# Altium PCB FYDP_rev2.PcbDoc (continued)
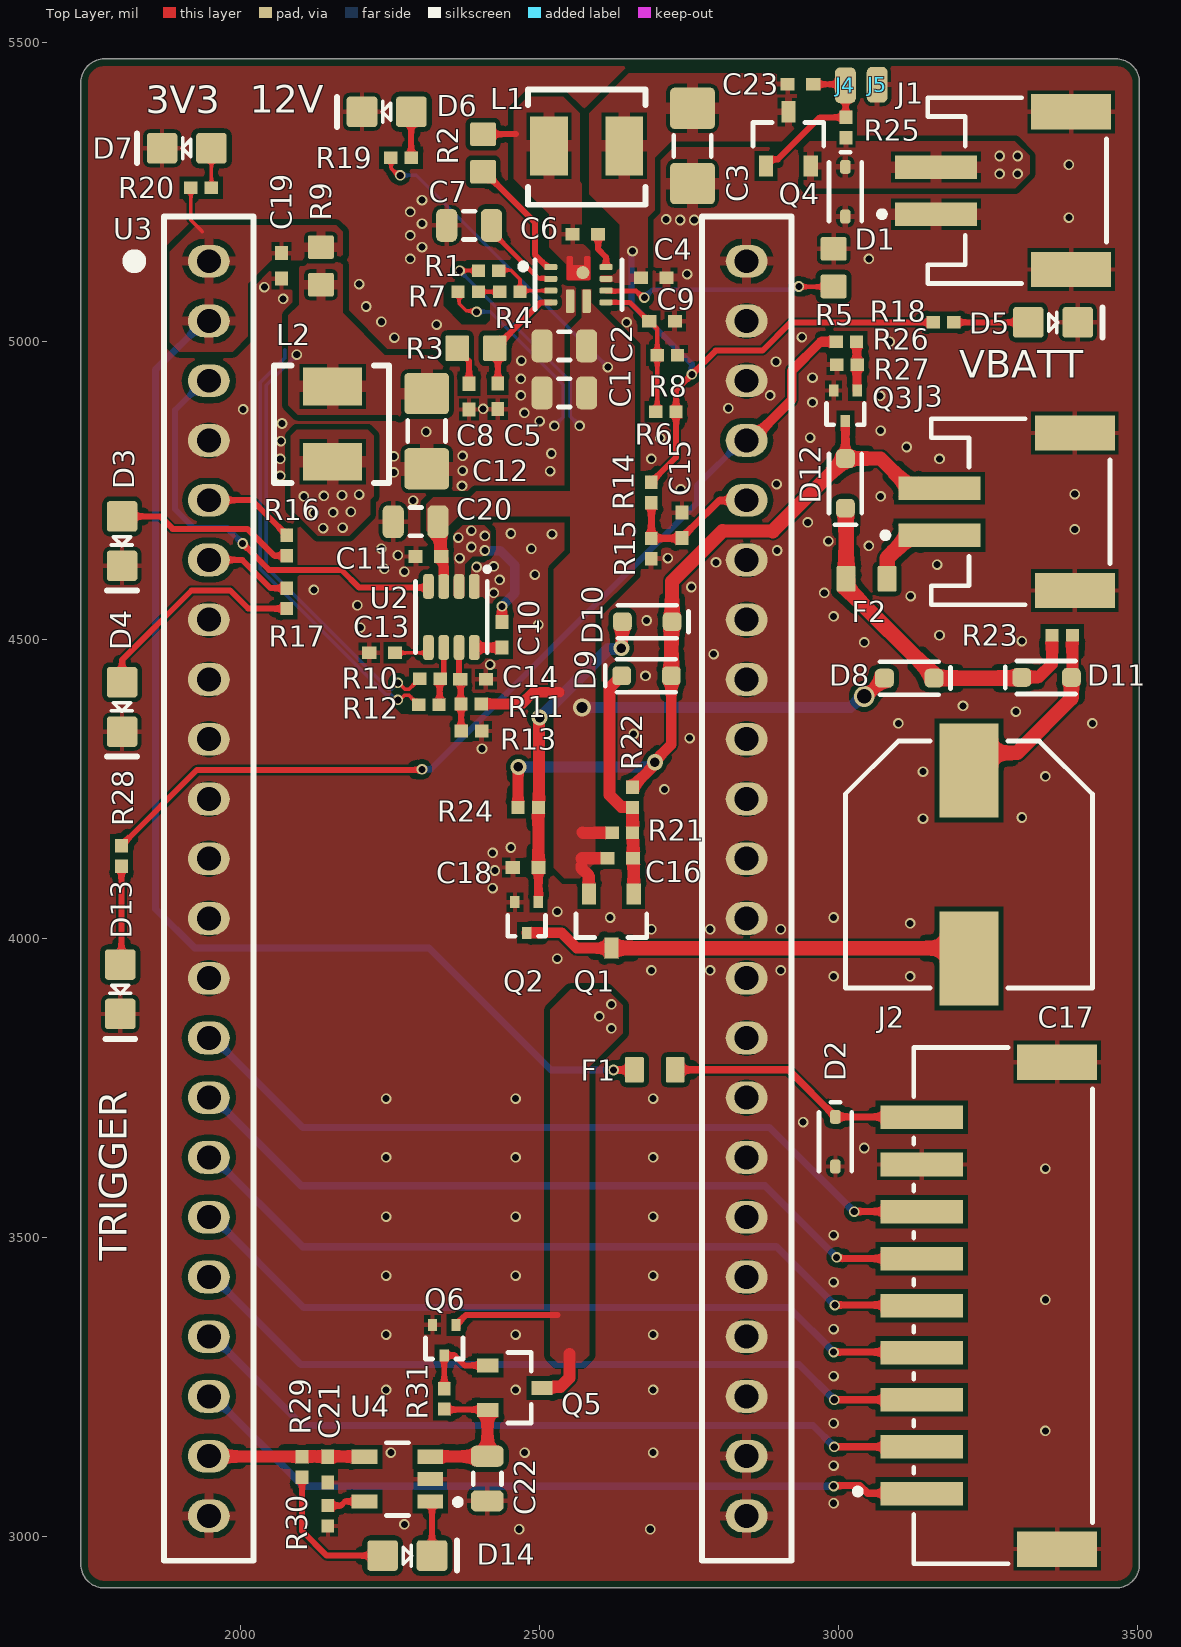
[diagram p0: Top Layer view]
## Part data
C1 C2 C7 C20 C22: library part CAP0805, "25V 10uF X5R ±10% 0805  Multilayer Ceramic Capacitors MLCC - SMD/SMT ROHS", Capacitance=10uF, Dielectric=X5R, Manufacturer="Samsung Electro-Mechanics", Package=0805, Tolerance=10%, Voltage Rating=25V, Manufacturer Part Number=CL21A106KAYNNNE
C3 C12: library part CAP1206, "10V 47uF X5R ±20% 1206  Multilayer Ceramic Capacitors MLCC - SMD/SMT ROHS", Capacitance=47uF, Dielectric=X5R, Manufacturer="Samsung Electro-Mechanics", Package=1206, Tolerance=20%, Voltage Rating=10V, Manufacturer Part Number=CL31A476MPHNNNE
C4 C6 C9 C10 C11 C14 C15 C16 C18 C19 C21 C23: library part CAP0402, "50V 100nF X7R ±10% 0402  Multilayer Ceramic Capacitors MLCC - SMD/SMT ROHS", Capacitance=100nF, Dielectric=X7R, Manufacturer="Samsung Electro-Mechanics", Package=0402, Tolerance=±20%, Voltage Rating=50V, Manufacturer Part Number=CL05B104KB54PNC
C5: library part CAP0402, "50V 47pF C0G ±5% 0402  Multilayer Ceramic Capacitors MLCC - SMD/SMT ROHS", Capacitance=47pF, Dielectric=C0G, Manufacturer="FH (Guangdong Fenghua Advanced Tech)", Package=0402, Tolerance=±5%, Voltage Rating=50V, Manufacturer Part Number=0402CG470J500NT
C8: library part CAP0402, "50V 1nF X7R ±10% 0402  Multilayer Ceramic Capacitors MLCC - SMD/SMT ROHS", Capacitance=1nF, Dielectric=X7R, Manufacturer="FH (Guangdong Fenghua Advanced Tech)", Package=0402, Tolerance=±10%, Voltage Rating=50V, Manufacturer Part Number=0402B102K500NT
C13: library part CAP0402, "50V 22nF X7R ±10% 0402  Multilayer Ceramic Capacitors MLCC - SMD/SMT ROHS", Capacitance=22nF, Dielectric=X7R, Manufacturer="FH (Guangdong Fenghua Advanced Tech)", Package=0402, Tolerance=10%, Voltage Rating=50V, Manufacturer Part Number=0402B223K500NT
C17: library part CMP-0687-00002-1, "Aluminum Electrolytic Capacitor, UD Series, Low Impedance, 470 uF, 25 V, + / - 20%, -55 to 105 degC, Chip Type, 10 x 10 mm D x L, Pb-Free, Reel", Manufacturer=Nichicon, Rated Capacitance="470 uF", Rated Ripple Current (at 100kHz)="670 mA", Rated Voltage="25 V", Tolerance Rated Capacitance="-20 to 20%", ComponentLink1Description="Manufacturer URL", ComponentLink1URL=http://www.nichicon.co.jp/, ComponentLink2Description=Datasheet, ComponentLink2URL=http://products.nichicon.co.jp/en/pdf/XJA043/e-ud.pdf, ComponentLink3Description="Package Specification", ComponentLink3URL=http://products.nichicon.co.jp/en/pdf/XJA043/e-ud.pdf, DatasheetVersion=08/2012, Diameter="10 mm", Endurance Time="5000 h", Impedance="0.09 Ohm", Length="10 mm", Mounting Technology="Surface Mount", PackageDescription="2-Pin Surface Mount Device, Diameter 10 mm, Height 10 mm, Pitch 8 mm", PackageReference=CAPAE-D10H10, Packing="Dia382mm Reel", PartNumber=UUD1E471MNL1GS, RoHS=TRUE
D1 D2: "TVS UNI14.5V 6.2V 5V SOD-323", Breakdown Voltage=6.2V, Clamping Voltage=14.5V, Manufacturer="Diodes Incorporated", Package=SOD-323, Reverse Standoff Voltage=5V, Manufacturer Part Number=SD05-7
D3 D14: library part LED_GREEN, "Emerald 0805  Light Emitting Diodes (LED) ROHS", Manufacturer="Hubei KENTO Elec", If rated=20mA, Manufacturer Part Number=KT-0805G, Vf=2.1V
D4: library part LED_RED, "Colorless transparence 67mcd~195mcd -30℃~+85℃ 615nm~630nm Red 130° 65mW 0805  Light Emitting Diodes (LED) ROHS", Manufacturer="Foshan NationStar Optoelectronics", If rated=25mA, Manufacturer Part Number=NCD0805R1, Vf=2.0V
D5 D6 D7 D13: library part LED_YELLOW, "Yellow 0805  Light Emitting Diodes (LED) ROHS", Manufacturer="Hubei KENTO Elec", If rated=20mA, Manufacturer Part Number=KT-0805Y, Vf=2.1V
D8 D9 D10 D11 D12: "40V 470mV@500mA 0.5A SOD-323  Schottky Barrier Diodes (SBD) ROHS", Manufacturer="Taiwan Semiconductor", Package/Footprint=SOD-323, Io=0.5A, Manufacturer Part Number=RB551V-40, Mounting Type=SMD, Vf (Max)="470mV @ 0.5A", Vr (Max)=40V
F1 F2: library part FUSE0603, "50A SMD Fuse 1A 32V 32V 0603  Fuses ROHS", Current Rating=1A, Manufacturer=Littelfuse, Package=0603, Supplier Part Number 1=6130137, Voltage Rating=32V, Manufacturer Part Number=0467001.NRHF, Supplier 1="Future Electronics"
J1 J3: library part CMP-1755-00001-1, "Male Header, Pitch 2 mm, 1 x 2 Position, Height 5.5 mm, -25 to 85 degC, RoHS, Tape and Reel", Colour=Black, Current Rating="3 A", Max Operating Temperature=105degC, Min Operating Temperature=-65degC, Package Quantity=100, ComponentLink1Description="Manufacturer URL", ComponentLink1URL=http://www.jst.com/home2.html, ComponentLink2Description=Datasheet, ComponentLink2URL=http://www.jst-mfg.com/product/pdf/eng/ePH.pdf, Contact Finish=Lead, Contact Material=Bronze, Contact Plating=Tin, DatasheetVersion=Dec-12, Height="8.13 mm", Lead Pitch="0.1 inch", Length="101.19 mm", Mount="Through Hole", PackageDescription="Male Header, Pitch 2 mm, 1 x 2 Position, Height 5.5 mm", PackageReference=S2B-PH-SM4-TB(LF)(SN)-2, Packaging=Bulk, Pins=40, Radiation Hardening=No, RoHSCompliant=True, Width="2.34 mm"
J2: library part CMP-17439-000494-1, "CONN HEADER SMD R/A 9POS 2MM", Color=White, Contact Resistance=10mR, Current Rating=2A, Flammability Rating="UL94 V-0", Housing Color=Natural, Insulation Resistance=1GR, Max Operating Temperature=85°C, Min Operating Temperature=-25°C, Voltage Rating=100V, Connector Type=Header, Contact Finish - Mating=TIN, Contact Material="Copper Alloy", Contact Mating Length=0.13inch, Contact Plating=Tin, Contact Shape=Square, Contact Type="Male Pin", Fastening Type=Detent, Gender=Male, Housing Material=Nylon, Insulation Color=Natural, Insulation Material=Nylon, Lead Free="Lead Free", Lead Pitch=2mm, Mount="Surface Mount", Number of Contacts=9, Number of Poles=9, Number of Positions=9, Number of Rows=1, Orientation="Right Angle", Packaging="Cut Tape", Pitch=2mm, Reach SVHC Compliant=Yes, Series=PH, Termination=Solder, Voltage Rating (AC)=100V, Working Voltage=100V
L1 L2: library part TMPA0503S-3R3MN-D, "3.3uH ±20% 3A SMD Power Inductors ROHS", DC Resistance=83.1mR, Inductance=3.3uH, Manufacturer="Vishay Intertech", Tolerance=20%, Isat(min)=3A, Manufacturer Part Number=IHLP1616BZER3R3M5A
Q1 Q4 Q5: library part IRLML5103TRPBF, "MOSFET P-CH 30V 4.1A SOT23", Manufacturer 1="Micro Commercial Co", Power Dissipation (Max)=1.3W, Supplier Part Number 1=SI3407-TPMSCT-ND, Manufacturer Part Number 1=SI3407-TP, Mounting Type=SMD, Supplier 1=Digikey, Vdss=30V, Vgs (Max)=±20V, Vth (Max)="3V @250uA"
Q2 Q6: library part DMN62D0UT-7, "MOSFET, N-CH, SINGLE, 0.30A, 60V", Package=SOT-523, Supplier Part Number 1=4786-GSFAT0600CT-ND, Id @ 25°C=300mA, Supplier 1=Digikey, Vdss=60V, Vgs (Max)=±20V, Vgs(th) (Max) @ Id="2.5V @ 250uA"
Q3: "NFET 60 V 320mA (Ta) 230mW (Ta) Surface Mount SOT-523", Package=SOT-523, Supplier Part Number 1=DMN62D0UT-7DICT-ND, Id @ 25°C=320mA, Supplier 1=Digikey, Vdss=60V, Vgs (Max)=±20V, Vgs(th) (Max) @ Id="1V @ 250uA"
R1: library part RES0402, "62.5mW Thick Film Resistors ±100ppm/℃ ±1% 1MΩ 0402  Chip Resistor - Surface Mount ROHS", Manufacturer="UNI-ROYAL(Uniroyal Elec)", Package=0402, Power Rating=62.5mW, Resistance=1MR, Tolerance=1%, Manufacturer Part Number=0402WGF1004TCE
R2 R5: library part RES0603, "100mW Thick Film Resistors ±100ppm/℃ ±1% 330kΩ 0603  Chip Resistor - Surface Mount ROHS", Manufacturer="UNI-ROYAL(Uniroyal Elec)", Package=0603, Power Rating=100mW, Resistance=330kR, Tolerance=1%, Manufacturer Part Number=0603WAF3303T5E
R3: library part RES0603, "100mW Thick Film Resistors ±100ppm/℃ ±1% 24kΩ 0603  Chip Resistor - Surface Mount ROHS", Manufacturer="UNI-ROYAL(Uniroyal Elec)", Package=0603, Power Rating=100mW, Resistance=24kR, Tolerance=1%, Manufacturer Part Number=0603WAF2402T5E
R4: library part RES0402, "62.5mW Thick Film Resistors ±100ppm/℃ ±1% 100kΩ 0402  Chip Resistor - Surface Mount ROHS", Manufacturer="UNI-ROYAL(Uniroyal Elec)", Package=0402, Power Rating=62.5mW, Resistance=100kR, Tolerance=1%, Manufacturer Part Number=0402WGF1003TCE
R6: library part RES0402, "62.5mW Thick Film Resistors ±100ppm/℃ ±1% 15kΩ 0402  Chip Resistor - Surface Mount ROHS", Manufacturer="UNI-ROYAL(Uniroyal Elec)", Package=0402, Power Rating=62.5mW, Resistance=15kR, Tolerance=1%, Manufacturer Part Number=0402WGF1502TCE
R7 R8 R12 R13 R14 R23 R25 R27 R31: library part RES0402, "62.5mW Thick Film Resistors ±100ppm/℃ ±1% 10kΩ 0402  Chip Resistor - Surface Mount ROHS", Manufacturer="UNI-ROYAL(Uniroyal Elec)", Package=0402, Power Rating=62.5mW, Resistance=10kR, Tolerance=1%, Manufacturer Part Number=0402WGF1002TCE
R9: library part RES0603, "100mW Thick Film Resistors ±1% 0Ω 0603  Chip Resistor - Surface Mount ROHS", Manufacturer="UNI-ROYAL(Uniroyal Elec)", Package=0603, Power Rating=100mW, Resistance=0R, Tolerance=1%, Manufacturer Part Number=0603WAF0000T5E
R10 R15: library part RES0402, "62.5mW Thick Film Resistors ±100ppm/℃ ±1% 33kΩ 0402  Chip Resistor - Surface Mount ROHS", Manufacturer="UNI-ROYAL(Uniroyal Elec)", Package=0402, Power Rating=62.5mW, Resistance=33kR, Tolerance=1%, Manufacturer Part Number=0402WGF3302TCE
R11 R21: library part RES0402, "62.5mW Thick Film Resistors ±100ppm/℃ ±1% 51kΩ 0402  Chip Resistor - Surface Mount ROHS", Manufacturer="UNI-ROYAL(Uniroyal Elec)", Package=0402, Power Rating=62.5mW, Resistance=51kR, Tolerance=1%, Manufacturer Part Number=0402WGF5102TCE
R16 R20 R28: library part RES0402, "62.5mW Thick Film Resistors ±100ppm/℃ ±1% 330Ω 0402  Chip Resistor - Surface Mount ROHS", Manufacturer="UNI-ROYAL(Uniroyal Elec)", Package=0402, Power Rating=62.5mW, Resistance=330R, Tolerance=1%, Manufacturer Part Number=0402WGF3300TCE
R17 R18 R22 R24 R29: library part RES0402, "62.5mW Thick Film Resistors ±100ppm/℃ ±1% 510Ω 0402  Chip Resistor - Surface Mount ROHS", Manufacturer="UNI-ROYAL(Uniroyal Elec)", Package=0402, Power Rating=62.5mW, Resistance=510R, Tolerance=1%, Manufacturer Part Number=0402WGF5100TCE
R19 R30: library part RES0402, "62.5mW Thick Film Resistors ±100ppm/℃ ±1% 2.2kΩ 0402  Chip Resistor - Surface Mount ROHS", Manufacturer="UNI-ROYAL(Uniroyal Elec)", Package=0402, Power Rating=62.5mW, Resistance=2.2kR, Tolerance=1%, Manufacturer Part Number=0402WGF2201TCE
R26: library part RES0402, "62.5mW Thick Film Resistors ±1% ±200ppm/℃ 100Ω 0402  Chip Resistor - Surface Mount ROHS", Manufacturer="UNI-ROYAL(Uniroyal Elec)", Package=0402, Power Rating=62.5mW, Resistance=100R, Tolerance=1%, Manufacturer Part Number=0402WGF1000TCE
U2: "IC REG BUCK ADJ 3A SOT-23-8", Manufacturer="Texas Instruments", Package=SOT-23-8, Supplier Part Number 1=595-TPS563210ADDFR, Manufacturer Part Number=TPS563210ADDFR, Supplier 1=Mouser
U3: library part EPS32-S3-DevKitC, Dev Kit Part Number=ESP32-S3-DevKitC-1, MCU Part Number=ESP32-S3-WROOM-2-N32R8V
U4: library part CMP-0133-00138-2, "IC LI-ION/LI-POLY CTRLR SOT23-5", Case/Package=SOT-23, Max Charge Current=500mA, Max Input Voltage=6V, Max Operating Temperature=85°C, Max Output Voltage=4.5V, Max Power Dissipation=1.54W, Min Operating Temperature=-40°C, Min Output Voltage=4.168V, Min Supply Voltage=3.75V, Output Current=10mA, Output Voltage=4.2V, Package Quantity=3000, Contact Plating=Tin, Height=1.3mm, Lead Free="Lead Free", Length=3.1mm, Max Output Current=500mA, Max Supply Voltage=6V, Mount="Surface Mount", Number of Cells=1, Number of Channels=1, Number Of Outputs=1, Number of Pins=5, Packaging="Tape and Reel", Power Dissipation=1.54W, Radiation Hardening=No, REACH SVHC="No SVHC", Termination=SMD/SMT, Width=1.8mm

## Free pads (board coordinates)
  rrect40% 21.65x9.84 smd paste+0 mask+0: 1(2518.7,5124.02) 2(2518.7,5104.33) 3(2518.7,5084.65) 4(2518.7,5064.96) 7(2611.22,5064.96) 8(2611.22,5084.65) 9(2611.22,5104.33) 10(2611.22,5124.02)
  rrect29% 13.78x39.37 smd paste-39370.1 mask+0: 5(2551.18,5066.93) 6(2578.74,5066.93)
  round 21.79 smd paste-39370.1 mask+0: 11(2572.34,5114.67)

## Via types
v1: diameter 17.72, hole 11.81, Top Layer to Bottom Layer, tented both sides, 203 vias
v2: diameter 27, hole 16, Top Layer to Bottom Layer, tented both sides, 4 vias
v3: diameter 17.72/17.72/17.72/17.72 (per signal layer), hole 11.81, Top Layer to Bottom Layer, tented both sides, 2 vias
v4: diameter 30, hole 18, Top Layer to Bottom Layer, tented both sides, 1 vias
v5: diameter 35, hole 24, Top Layer to Bottom Layer, tented both sides, 1 vias

## Nets (pads, with @x,y where several pads share a name; then routed paths per layer and width w, separated by ;. In a path a pad name is that pad's centre, name@x,y a point inside that pad or via, vN(x,y) a via of type N, cw(c..) or ccw(c..) an arc to the next point about the centre after c; other vN are vias at no path point)
BOOST_EN: C9.2 pad.7 R6.1 R8.2 | length 244.2
  Top Layer w8: pad.7 2650.78,5064.96 2682.28,5033.46 C9.2 2684.64,5033.46 2691.27,5026.83 2691.27,5025.65 2696.85,5020.07 2696.85,4884.47 R6.1
BUCK_EN: C14.2 R11.1 R13.2 U2.7 | length 141.4
  Top Layer w10: U2.7 2365.16,4436.02 2367.8,4433.38 2367.8,4393.39 R11.1 2368.79,4392.41 2368.79,4347.75 R13.2
GND: C1.1 C2.1 C3.1 C4.1 C5.1 C7.1 C8.1 C9.1 C11.1 C12.1 C13.1 C14.1 C15.1 C18.1 C19.1 C20.1 C21.1 C22.1 D1.2 D2.2 D3.1 D4.1 D5.1 D6.1 D7.1 D13.1 J1.1 J1.MP1 J1.MP2 J2.8 J2.10 J2.11 J3.MP1 J3.MP2 J5.1 pad.5 Q2.2 Q3.2 Q6.2 R5.2 R7.1 R8.1 R12.1 R13.1 R15.2 R27.1 R30.1 U2.1 U3.22 U3.23 U3.43 U3.44 U4.2 | length 1075
  Top Layer w6: v1(2262.8,4399.61) 2265.97,4399.61 2273.84,4407.48 2281.36,4407.48 2297.11,4391.73 R12.1 ; R7.1 2365.24,5080.99 2365.24,5062.91 2377.46,5050.69 2393.21,5050.69 v3(2394.68,5049.21)
  Bottom Layer w6: 2073.28,4985.31 2073.28,4971.9 2032.78,4931.4 2032.78,4618.09 2243.07,4407.8 2251.43,4407.8 2259.62,4399.61 v1(2262.8,4399.61) ; v3(2394.68,5049.21) 2417.32,5049.21 2539.37,4927.17 2539.37,4873.01 v3(2524.59,4858.23)
  other v1: 2465.73,3011.55 2685.22,3011.55 2273.62,3019.68 2992.13,3055.12 2992.13,3118.11 2250.98,3139.76 2475,3139.76 2689.96,3139.76 3346.46,3176.18 2992.13,3188.98 2243.11,3245 2460,3245 2689.96,3245 2992.13,3267.72 2243.11,3337.27 2460,3337.27 2689.96,3337.27 2992.13,3346.46 3346.46,3395.67 2992.13,3425.2 2243.11,3436.02 2460,3436.02 2689.96,3436.02 2992.13,3503.94 2243.11,3534.78 2460,3534.78 2689.96,3534.78 3346.46,3615.16 2243.11,3633.86 2460,3633.86 2689.96,3633.86 3043.31,3649.61 2940.94,3692.91 2243.11,3732.28 2460,3732.28 2689.96,3732.28 2992.13,3937.01 3120.08,3937.01 2687.01,3946.85 2785.43,3946.85 2903.54,3946.85 2529.53,3966.54 2687.01,4015.75 2785.43,4015.75 2903.54,4015.75 3120.08,4025.59 2618.11,4035.43 2992.13,4035.43 2529.53,4045.28 2421.26,4084.65 2425.2,4114.17 2421.26,4143.7 2451.77,4152.56 3141.73,4200.79 3307.09,4202.76 2708.66,4250 3346.46,4271.65 3141.73,4279.53 2403.54,4317.91 2750.98,4335.63 2657.48,4342.52 3100.39,4360.24 3425.2,4360.24 3297.24,4379.92 3208.66,4389.76 2677.17,4439.96 2417.32,4458.66 2791.34,4476.38 3043.31,4496.06 3307.09,4498.03 3169.29,4507.87 2199.8,4520.67 2498.03,4525.59 2679.13,4532.48 2992.13,4539.37 2194.88,4558.07 3120.86,4573.39 2423.23,4578.74 2976.38,4578.74 2122.05,4583.66 2753.94,4588.58 2433.07,4600.39 2492.13,4609.25 2273.62,4614.17 2240.16,4619.09 2394.68,4622.05 2423.23,4623.03 3165.35,4625.98 2795.28,4629.92 2714.57,4636.81 2262.8,4641.73 2897.64,4649.61 2235.24,4652.56 2486.22,4652.56 3051.18,4657.48 2983.26,4665.35 2520.67,4677.17 2451.77,4678.15 3395.67,4685.04 2948.82,4696.85 2288.39,4733.27 3070.87,4740.16 3395.67,4744.09 2736.22,4751.97 2370.08,4757.87 2896.65,4760.83 2065.94,4774.61 2255.91,4780.51 2517.72,4782.48 2371.06,4783.46 2065.94,4803.15 2687.01,4803.15 3169.29,4803.15 2255.91,4807.09 2371.06,4808.07 2519.68,4812.01 3114.17,4822.83 2066.93,4832.68 2701.77,4837.6 2952.76,4838.58 2310.04,4848.43 3070.87,4850.39 2068.9,4862.2 2500,4866.14 2474.41,4879.92 2003.94,4885.83 2405.51,4886.81 2815.94,4887.8 2956.69,4897.64 3069.88,4908.46 2468.5,4909.45 2885.83,4909.45 2468.5,4937.01 2956.69,4938.98 2895.67,4965.55 2469.49,4967.52 3085.63,4999.02 2256.89,5005.91 2938.98,5006.89 2327.76,5027.56 2645.67,5031.5 2235.24,5032.48 2209.65,5058.07 2070.87,5070.87 2039.37,5090.55 2197.83,5095.47 2747.05,5112.2 2283.46,5137.8 3051.18,5137.8 2303.15,5157.48 2283.46,5177.17 2303.15,5196.85 2735.24,5202.76 2758.86,5202.76 2711.61,5203.74 3385.83,5206.69 2283.46,5216.54 2303.15,5236.22 3385.83,5295.28
IMU1_INT: J2.6 U3.15 | length 1305
  Top Layer w12: v1(2997.05,3466.54) 2998.59,3466.54 3000.56,3464.57 J2.6
  Bottom Layer w12: U3.15 1953.96,3733.86 2101.2,3586.61 2877.3,3586.61 2997.05,3466.87 v1(2997.05,3466.54)
IMU2_INT: J2.7 U3.14 | length 1313.7
  Top Layer w12: v1(3026.57,3543.31) J2.7
  Bottom Layer w12: U3.14 1953.96,3833.86 2103.76,3684.06 2884.84,3684.06 3025.59,3543.31 v1(3026.57,3543.31)
LED_1: R16.2 U3.5 | length 154.9
  Top Layer w10: U3.5 2018.62,4733.86 2076.77,4675.7 R16.2
LED_2: R17.2 U3.6 | length 149.9
  Top Layer w10: U3.6 2002.39,4633.86 2049.63,4586.61 R17.2
NetC5_2: C5.2 pad.4 R3.2 | length 187.5
  Top Layer w10: C5.2 2430,4983.37 R3.2 2425.19,4990.15 2439.88,5004.83 2441.85,5004.83 2501.97,5064.96 pad.4
NetC6_1: C6.1 pad.10 | length 60.6
  Top Layer w10: C6.1 2598.04,5153.93 2611.22,5140.75 pad.10
NetC6_2: C6.2 L1.2 pad.11 R2.2 | length 55.1
  Top Layer w10: R2.2 2460.63,5346.46
NetC7_2: C7.2 pad.2 | length 142.3
  Top Layer w8: C7.2 2419.29,5184.06 2498.09,5105.25 2517.78,5105.25 pad.2
NetC8_2: C8.2 R3.1 | length 67.6
  Top Layer w10: R3.1 2362.2,4986.21 2381.89,4966.52 C8.2
NetC10_1: C10.1 L2.1 U2.2 | length 164.2
  Top Layer w16: C10.1 v1(2437.01,4556.1)
  Bottom Layer w16: v1(2408.46,4649.61) 2408.79,4649.28 2434.38,4649.28 2458.66,4625 2458.66,4578.21 2437.01,4556.56 v1(2437.01,4556.1)
  other v1: 2366.14,4636.81 2385.83,4655.51 2364.17,4671.26 2408.46,4674.21 2385.83,4683.07 2137.8,4687.01 2170.28,4687.99 2122.05,4712.6 2154.53,4713.58 2184.06,4714.57 2105.32,4740.16 2138.78,4741.14 2169.29,4742.13 2197.83,4743.11
NetC10_2: C10.2 U2.8 | length 46.3
  Top Layer w16: U2.8 C10.2
NetC12_2: C12.2 L2.2 R9.1 R10.2 | length 735
  Top Layer w6: v1(2262.8,4428.15) 2264.29,4428.15 2275.3,4417.14 2281.18,4417.14 2299.08,4435.04 R10.2
  Bottom Layer w6: v1(2093.5,4977.36) 2042.32,4926.18 2042.32,4622.05 2247.02,4417.35 2251.99,4417.35 v1(2262.8,4428.15)
NetC13_2: C13.2 U2.5 | length 61.6
  Top Layer w6: C13.2 2308.23,4478.35 2313.98,4484.1 U2.5
NetC16_1: C16.1 D9.1 Q1.1 R21.1 R22.1 | length 399.7
  Top Layer w20: D9.1 2617.13,4419.69 2617.13,4240.16 2636.66,4220.62 2654.88,4220.62 R22.1@2655.51,4219.99 ; R21.1 R22.1@2655.51,4219.99 ; R22.1 R22.1@2655.51,4219.99 ; C16.1 R21.1@2656.5,4176.18 ; Q1.1 C16.1@2657.48,4134.84
NetC17_1: C17.1 D11.2 R23.1 | length 328.1
  Top Layer w20: D11.2@3391.73,4438.98 3391.73,4456.69 R23.1
  Top Layer w24: C17.1 3248.03,4311.02 3299.21,4311.02 3389.98,4401.8 D11.2 D11.2@3391.73,4438.98
NetC17_2: C17.2 Q1.3 Q2.3 | length 758.1
  Top Layer w18: Q2.3 2536.56,4009.84 2562.15,3984.25 Q1.3
  Top Layer w24: Q1.3 3200.79,3984.25 C17.2
NetC18_2: C18.2 D10.2 Q2.1 R24.1 | length 540
  Top Layer w14: Q2.1 C18.2
  Top Layer w20: C18.2 R24.1 2498.39,4219.49 2499.02,4220.12 2499.02,4369.09 v2(2500,4370.08) ; v2(2636.81,4486.22) 2637.72,4487.13 2637.72,4529.6 D10.2
  Bottom Layer w20: v2(2500,4370.08) 2614.8,4484.88 2635.47,4484.88 v2(2636.81,4486.22)
NetC22_2: C22.2 Q5.2 R31.2 U4.3 | length 246.9
  Top Layer w10: R31.2 2341.38,3211.89 2412.24,3211.89 Q5.2
  Top Layer w20: U4.3 2317.42,3133.37 2411.91,3133.37 C22.2 2412.82,3134.27 2412.82,3210.49 Q5.2
NetC23_1: C23.1 J4.1 Q4.1 R25.1 | length 278.5
  Top Layer w10: Q4.1 2878.94,5297.44 2885.75,5304.25 2898.74,5304.25 2969.12,5374.63 R25.1 3012.3,5375.12 3012.3,5427.66 J4.1 3009.96,5430 C23.1
NetD2_1: D2.1 F1.1 J2.9 | length 445.6
  Top Layer w12: F1.1 2916.34,3780.51 D2.1 3138.78,3701.77 J2.9
NetD3_2: D3.2 R16.1 | length 302.8
  Top Layer w10: D3.2 1865.16,4706.69 1885.83,4686.02 2010.83,4686.02 2055.73,4641.12 R16.1
NetD4_2: D4.2 R17.1 | length 373.6
  Top Layer w10: D4.2 1801.18,4466.54 1917.32,4582.68 1982.11,4582.68 2012.26,4552.53 R17.1
NetD5_2: D5.2 R18.1 | length 125
  Top Layer w10: R18.1 D5.2
NetD6_2: D6.2 R19.1 | length 76.9
  Top Layer w10: R19.1 2285.06,5383.49 D6.2
NetD7_2: D7.2 R20.1 | length 66.1
  Top Layer w6: R20.1 1950.79,5257.26 D7.2
NetD8_1: D8.1 D11.1 D12.1 F2.1 R23.2 | length 601.4
  Top Layer w20: D11.1@3306.91,4436.02 D11.1 3307.59,4437.91 3335.54,4437.91 3357.65,4460.01 R23.2
  Top Layer w26: D12.1@3012.99,4720.47 F2.1 3015.74,4599.61 3015.74,4584.65 3157.49,4442.91 3157.49,4438.77 D8.1@3161.42,4438.77 ; D8.1 D11.1@3306.91,4436.02
NetD9_2: D9.2 D10.1 D12.2 J3.2 Q3.3 R22.2 R24.2 | length 1285.1
  Top Layer w14: D12.2 Q3.3
  Top Layer w18: R24.2 2463.95,4286.79 v2(2464.57,4287.4) ; R22.2@2655.51,4254.07 2691.48,4290.04 2691.48,4293.84 v2(2692.91,4295.28) 2692.91,4297.43 2720.47,4324.99 D9.2
  Top Layer w22: 2806.15,4682.14 2890.4,4682.14
  Top Layer w24: D9.2 D10.1@2720.47,4529.28 ; D10.1 2721.71,4597.69 2806.15,4682.14 ; 2890.4,4682.14 D12.2 3070.47,4803.54 3120.08,4753.94 J3.2
  Bottom Layer w18: v2(2464.57,4287.4) 2682.6,4287.4 2690.48,4295.28 v2(2692.91,4295.28)
NetD13_2: D13.2 R28.1 | length 165.6
  Top Layer w10: D13.2 1800.2,3958.66 R28.1
NetD14_1: D14.1 U4.1 | length 91.8
  Top Layer w10: U4.1 2319.88,3055.12 D14.1
NetD14_2: D14.2 R29.1 | length 241.9
  Top Layer w10: R29.1 2102.36,3008.86 2143.7,2967.52 D14.2
NetF2_2: F2.2 J3.1 | length 138
  Top Layer w26: F2.2 3081.5,4636.61 3113.39,4668.51 3162.61,4668.51 J3.1
NetQ3_1: Q3.1 R26.2 R27.2 | length 82.1
  Top Layer w12: R26.2 R26.2@3031,4998.52 ; Q3.1@3031,4917.81 Q3.1
  Top Layer w14: Q3.1@3031,4917.81 R26.2@3031,4998.52
NetQ5_1: Q5.1 Q6.3 R31.1 | length 135.3
  Top Layer w10: R31.1 Q6.3 2358.11,3302.44 2374.84,3285.71 Q5.1
NetR1_1: pad.3 R1.1 R4.2 | length 112.3
  Top Layer w6: R1.1@2434.66,5119.11 2434.89,5118.87 2451.99,5118.87 2467.15,5103.72 R4.2 2469.04,5084.57 2518.62,5084.57 pad.3
NetR2_1: pad.1 R2.1 | length 210.9
  Top Layer w10: R2.1 2407.48,5283.46 2492.13,5198.82 2492.13,5144.68 2512.8,5124.02 pad.1
NetR4_1: R4.1 R7.2 | length 35.4
  Top Layer w6: R7.2 R4.1
NetR5_1: pad.8 R5.1 | length 393.8
  Top Layer w8: pad.8 2612.07,5083.8 2661.61,5083.8 2672.57,5072.83 v1(2675.2,5072.83) ; v1(2934.06,5091.54) 2934.55,5091.04 R5.1@2992.14,5091.04
  Bottom Layer w8: v1(2675.2,5072.83) 2688.37,5086.01 2925.9,5086.01 2931.43,5091.54 v1(2934.06,5091.54)
NetR10_1: R10.1 R12.2 U2.6 | length 98.7
  Top Layer w10: R12.2 2332.68,4392.72 2332.68,4434.06 R10.1 2339.57,4440.94 U2.6
NetR30_2: R30.2 U4.5 | length 63.9
  Top Layer w10: R30.2 2167.32,3051.18 2174.21,3058.07 U4.5
NetU2_4: U2.4 U3.3 | length 722.4
  Top Layer w10: v1(2002.95,4661.42) 2047.26,4617.11 2168.42,4617.11 2197.93,4587.6 2310.12,4587.6 2312.09,4589.57 U2.4
  Bottom Layer w10: U3.3 1938.96,4933.86 1889.76,4884.67 1889.76,4718.72 1921.47,4687.01 1977.36,4687.01 v1(2002.95,4661.42)
PP3V3: C19.2 F1.2 R9.2 R20.2 U3.1 U3.2 | length 2020
  Top Layer w6: R20.2 1916.34,5202.76 1935.61,5183.49 ; F1.2@2658.34,3780.19 F1.2
  Top Layer w12: v1(2623.66,3780.19) F1.2@2658.34,3780.19
  Bottom Layer w12: U3.2 1938.96,5033.86 1857.28,4952.19 1857.28,4049.78 1922.81,3984.25 2315.06,3984.25 2519.13,3780.19 v1(2623.66,3780.19)
PP5V0: C21.2 R29.2 U3.21 U4.4 | length 260.6
  Top Layer w20: U3.21 1946.95,3133.37 2206.2,3133.37 U4.4
PP12V: C1.2 C2.2 C11.2 C16.2 C20.2 D8.2 pad.6 Q1.2 R1.2 R11.2 R19.2 R21.2 U2.3 | length 1819
  Top Layer w6: R19.2@2251.49,5307.09 2251.49,5288.86 2260.55,5279.8 2264.49,5279.8 v1(2266.73,5277.56) ; v1(2366.14,5118.11) R1.2
  Top Layer w16: C11.2 2339.57,4635.63 U2.3
  Top Layer w18: C20.2 C20.2@2334.26,4693.3 ; R11.2 2469.49,4392.72 2489.17,4412.4 2532.48,4412.4
  Top Layer w20: C11.2@2334.26,4639.76 C20.2@2334.26,4693.3 ; 2569.88,4122.05 2569.88,4118.11 2581.96,4106.04 2581.96,4075.52 Q1.2 ; 2569.88,4133.86 2570.87,4134.84 C16.2 ; 2571.85,4178.15 2572.83,4177.17 R21.2 ; v5(3043.31,4405.51) 3046.65,4405.51 D8.2@3079.13,4437.99
  Bottom Layer w6: v1(2266.73,5277.56) 2293.31,5277.56 v1(2614.17,4956.69) ; v1(2366.14,5118.11) 2551.18,4933.07 2551.18,4874.02 v1(2566.93,4858.27)
  Bottom Layer w18: v4(2570.87,4386.81) 3020.01,4386.81 3038.71,4405.51 v5(3043.31,4405.51)
SOLENOID_TRIG: R26.1 R28.2 U3.26 | length 1591.6
  Top Layer w10: R28.2 1800.2,4156.02 1926.66,4282.48 2302.17,4282.48 v1(2303.15,4283.46)
  Top Layer w16: U3.26 2853.96,4833.86 2922.24,4902.15 2922.24,4950.79 2970.47,4999.02 R26.1
  Bottom Layer w10: v1(2303.15,4283.46) 2317.91,4283.46 2763.18,4728.73 2763.18,4758.08 2838.96,4833.86 U3.26
SPI_IMU1_nCS: J2.5 U3.16 | length 1296
  Top Layer w12: v1(2994.09,3386.81) 3138.78,3386.81 J2.5
  Bottom Layer w12: U3.16 1953.96,3633.86 2103.56,3484.25 2896.65,3484.25 v1(2994.09,3386.81)
SPI_IMU2_nCS: J2.1 U3.20 | length 1261.9
  Top Layer w12: v1(2992.13,3083.66) 2993.22,3084.76 3036.31,3084.76 3049.21,3071.85 3138.78,3071.85 J2.1
  Bottom Layer w12: U3.20 1953.96,3233.86 2104.41,3083.41 2991.87,3083.41 v1(2992.13,3083.66)
SPI_IMU_CLK: J2.3 U3.18 | length 1278.4
  Top Layer w12: v1(2993.11,3228.35) J2.3
  Bottom Layer w12: U3.18 1953.96,3433.86 2100.41,3287.4 2934.06,3287.4 v1(2993.11,3228.35)
SPI_IMU_MISO: J2.2 U3.19 | length 1269.6
  Top Layer w12: v1(2993.11,3149.61) J2.2
  Bottom Layer w12: U3.19 1953.96,3333.86 2102.78,3185.04 2957.68,3185.04 v1(2993.11,3149.61)
SPI_IMU_MOSI: J2.4 U3.17 | length 1287.2
  Top Layer w12: v1(2992.13,3308.07) 3138.78,3308.07 J2.4
  Bottom Layer w12: U3.17 1953.96,3533.86 2104.94,3382.87 2917.32,3382.87 v1(2992.13,3308.07)
VBATT: D1.1 J1.2 Q4.2 Q5.3 Q6.1 R25.2 | length 271.1
  Top Layer w10: Q6.1 2360.08,3355.79 2362.95,3358.66 2365.12,3358.66 2376.46,3370 2530,3370
  Top Layer w20: Q5.3 2505.47,3250 2535,3250 2550,3265 2550,3305
  other v1: 2620,3850 2600,3870 2620,3890 3270,5280 3300,5280 3270,5310 3300,5310
VBATT_MONITOR: C15.2 R14.2 R15.1 U3.27 | length 246.4
  Top Layer w12: R14.2 R15.1 2687.19,4670.09 2738,4670.09 C15.2 2738.19,4671.46 2753.88,4687.15 2754.21,4687.15 2800.49,4733.43 2846.03,4733.43 U3.27
VBATT_SW: C3.2 C4.2 C23.2 L1.1 pad.9 Q4.3 R6.2 R14.1 R18.2 | length 897.8
  Top Layer w10: R14.1 2687.01,4764.28 2728.35,4805.62 R6.2 2728.35,4917.89 v1(2754.97,4944.51) 2794.71,4984.25 2873.03,4984.25 2920.24,5031.46 3074.43,5031.46 ; 3074.46,5031.5 R18.2
  Bottom Layer w10: v1(2655.51,5150.59) 2655.51,5148.5 2653.46,5146.46 2653.46,5063.07 2754.97,4961.57 v1(2754.97,4944.51)
pads on no net: U3.4 U3.7 U3.8 U3.9 U3.10 U3.11 U3.12 U3.13 U3.24 U3.25 U3.28 U3.29 U3.30 U3.31 U3.32 U3.33 U3.34 U3.35 U3.36 U3.37 U3.38 U3.39 U3.40 U3.41 U3.42

## Polygon pours and split planes (outlines as drawn)
GND on Top Layer "GND_L01_P035" (solid, remove dead copper, pour order 35): 1603.35,5474.41 1706.69,5577.76 3513.78,5577.76 3630.91,5460.63 3630.91,2996.06 3454.72,2819.88 1639.76,2819.88 1603.35,2856.3 1603.35,5475.39
VBATT on Top Layer "CHARGE" (solid, pour order 21): 2530,3290 2570,3290 2582.68,3302.68 2582.68,3785.43 2638.78,3841.54 2638.78,3888.78 2612.2,3915.35 2552.17,3915.35 2517.72,3880.91 2517.72,3302.28
VBATT_SW on Top Layer "Top Layer-VBATT_SW" (solid, pour order 9): 2602.36,5098.43 2622.05,5098.43 2625.98,5094.49 2681.1,5094.49 2681.1,5207.68 2692.91,5219.49 2692.91,5307.09 2720.47,5334.65 2905.51,5334.65 2930.12,5359.25 2930.12,5429.88 2911.18,5448.82 2649.61,5448.82 2582.68,5381.89 2582.68,5246.06 2633.86,5194.88 2633.86,5122.05 2622.05,5110.24 2602.36,5110.24
VBATT on Top Layer "Top Layer-VBATT" (solid, pour order 8): 2993.11,5255.91 3295.91,5255.91 3320,5280 3320,5310 3295.35,5334.65 2951.77,5334.65 2941.93,5324.8 2941.93,5262.8 2948.82,5255.91
GND on Top Layer "GND_L01_P023" (solid, pour order 23): 2559.06,5086.61 2543.31,5086.61 2543.31,5063.98 2510.83,5031.5 2488.19,5031.5 2458.66,5001.97 2458.66,4834.65 2519.69,4834.65 2539.37,4854.33 2539.37,5019.69 2559.06,5039.37
NetC6_2 on Top Layer "NETC6_2_L01_P020" (solid, pour order 20): 2584.65,5104.33 2584.65,5151.57 2570.87,5165.35 2570.87,5263.78 2566.93,5267.72 2566.93,5381.89 2539.37,5409.45 2480.31,5409.45 2456.69,5385.83 2456.69,5271.65 2515.75,5212.6 2515.75,5157.48 2545.28,5127.95 2545.28,5104.33
PP12V on Top Layer "Top Layer-PP12V" (solid, pour order 19): 2523.62,4119.09 2541.34,4101.38 2566.93,4101.38 2593.5,4127.95 2593.5,4544.29 2659.45,4610.24 2659.45,4991.14 2586.61,5063.98 2586.61,5086.61 2570.87,5086.61 2570.87,5039.37 2551.18,5019.69 2551.18,4854.33 2551.18,4645.67 2523.62,4618.11
NetC12_2 on Top Layer "NONET_L-01_P-001" (solid, pour order 32): 2346.46,4871.06 2268.7,4871.06 2262.8,4876.97 2095.47,4876.97 2079.72,4892.72 2079.72,5043.31 2097.44,5061.02 2097.44,5122.94 2106.39,5131.89 2170.28,5131.89 2170.28,5047.24 2241.14,4976.38 2320.87,4976.38 2346.46,4950.79
PP12V on Top Layer "NONET_L-01_P-001" (solid, pour order 34): 2335.63,4678.15 2364.17,4706.69 2563.98,4706.69 2570.87,4713.58 2570.87,4742.13 2563.98,4749.02 2393.7,4749.02 2383.86,4739.17 2321.85,4739.17 2310.04,4727.36 2310.04,4683.07 2314.96,4678.15 2319.88,4678.15
NetC10_1 on Top Layer "NONET_L-01_P-001" (solid, pour order 29): 2216.54,4734.25 2216.54,4709.65 2181.1,4674.21 2128.94,4674.21 2105.31,4697.83 2083.66,4719.49 2083.66,4841.54 2093.5,4851.38 2212.6,4851.38 2222.44,4841.54 2222.44,4740.16
NetC10_1 on Top Layer "NONET_L-01_P-001" (solid, pour order 28): 2375,4567.91 2356.3,4567.91 2356.3,4677.17 2371.06,4691.93 2407.48,4691.93 2417.32,4682.09 2417.32,4652.56 2404.53,4639.76 2387.8,4639.76 2375,4626.97
PP3V3 on Top Layer "PP3V3_L01_P026" (solid, pour order 26): 1896.65,4982.28 1880.91,4998.03 1880.91,5149.61 1925.2,5193.9 2159.45,5193.9 2170.28,5183.07 2170.28,5144.69 2160.79,5135.2 2050.55,5135.2 2011.81,5096.46 2011.81,5007.87 1986.22,4982.28
GND on Bottom Layer "GND_L04_P036" (solid, pour order 36): 1578.74,5433.07 1736.22,5590.55 3503.94,5590.55 3629.92,5464.57 3629.92,2988.19 3456.69,2814.96 1716.54,2814.96 1578.74,2952.76 1578.74,5429.13
VBATT on Bottom Layer "NONET_L-01_P-001" (solid, pour order 5): 2610,3830 2580,3860 2580,3890 2600,3910 2790,3910 3130,3910 3220,4000 3220,5290 3260,5330 3310,5330 3320,5320 3320,5260 3280,5220 3280,3910 3200,3830
NetC10_1 on Bottom Layer "NONET_L-01_P-001" (solid, pour order 27): 2073.82,4732.28 2103.35,4761.81 2232.28,4761.81 2301.18,4692.91 2407.48,4692.91 2421.26,4679.13 2421.26,4647.64 2414.37,4640.75 2383.86,4640.75 2371.06,4627.95 2303.15,4627.95 2261.81,4669.29 2106.3,4669.29 2073.82,4701.77 2073.82,4731.3
GND on GND1 "GND_L02_P000" (solid, pour order 0): 1653.54,2842.52 1653.54,5492.13 1795.28,5633.86 3480.32,5633.86 3633.86,5480.31 3633.86,2960.63 3515.75,2842.52
GND on GND2 "GND_L03_P001" (solid, pour order 1): 1637.8,2791.34 1637.8,5551.18 1763.78,5677.17 3456.69,5677.17 3637.8,5496.06 3637.8,3023.62 3405.51,2791.34

## Other copper
Top Layer:
  region net NetC6_2: 2582.68,5102.36 2583.07,5102.36 2583.79,5102.66 2584.35,5103.22 2584.65,5103.94 2584.65,5104.33 2584.65,5139.76 2584.65,5140.16 2584.35,5140.88 2583.79,5141.43 2583.07,5141.73 2582.68,5141.73 2576.77,5141.73 2576.38,5141.73 2575.66,5141.43 2575.1,5140.88 2574.8,5140.16 2574.8,5139.76 2574.8,5128.74 2574.76,5128.36 2574.47,5127.65 2573.93,5127.1 2573.22,5126.81 2572.83,5126.77 2557.09,5126.77 2556.7,5126.81 2555.99,5127.1 2555.45,5127.65 2555.16,5128.36 2555.12,5128.74 2555.12,5139.76 2555.12,5140.16 2554.82,5140.88 2554.26,5141.43 2553.54,5141.73 2553.15,5141.73 2547.24,5141.73 2546.85,5141.73 2546.13,5141.43 2545.58,5140.88 2545.28,5140.16 2545.28,5139.76 2545.28,5104.33 2545.28,5103.94 2545.57,5103.22 2546.13,5102.66 2546.85,5102.36 2547.24,5102.36
  pour cut-out: 2295.25,4490.77 2296.63,4492.14 2296.63,4572.35 2405.02,4572.35 2419.22,4558.15 2418.5,4557.44 2418.5,4505.85 2311.74,4505.85 2297,4491.11
  pour cut-out: 2246.06,4398.62 2268.7,4375.98 2308.07,4375.98 2312.99,4380.91 2312.99,4402.56 2303.15,4412.4 2251.97,4412.4
  pour cut-out: 2417.32,5035.43 2409.45,5027.56 2370.08,5027.56 2338.58,5059.06 2338.58,5091.47 2346.42,5099.31 2347.3,5098.43 2417.32,5098.43
GND1:
  pour cut-out: 2254.9,4411.42 2260.02,4413.54 2265.57,4413.54 2270.69,4411.42 2274.61,4407.5 2276.73,4402.38 2276.73,4396.83 2274.61,4391.71 2270.69,4387.79 2265.57,4385.67 2260.02,4385.67 2254.9,4387.79 2250.98,4391.71 2248.86,4396.83 2248.86,4402.38 2250.98,4407.5
  pour cut-out: 2386.79,5061.03 2391.91,5063.15 2397.46,5063.15 2402.58,5061.03 2406.5,5057.11 2408.62,5051.98 2408.62,5046.44 2406.5,5041.32 2402.58,5037.4 2397.46,5035.28 2391.91,5035.28 2386.79,5037.4 2382.87,5041.32 2380.75,5046.44 2380.75,5051.98 2382.87,5057.11
GND2:
  pour cut-out: 2254.9,4411.42 2260.02,4413.54 2265.57,4413.54 2270.69,4411.42 2274.61,4407.5 2276.73,4402.38 2276.73,4396.83 2274.61,4391.71 2270.69,4387.79 2265.57,4385.67 2260.02,4385.67 2254.9,4387.79 2250.98,4391.71 2248.86,4396.83 2248.86,4402.38 2250.98,4407.5
  pour cut-out: 2386.79,5061.03 2391.91,5063.15 2397.46,5063.15 2402.58,5061.03 2406.5,5057.11 2408.62,5051.98 2408.62,5046.44 2406.5,5041.32 2402.58,5037.4 2397.46,5035.28 2391.91,5035.28 2386.79,5037.4 2382.87,5041.32 2380.75,5046.44 2380.75,5051.98 2382.87,5057.11
Bottom Layer:
  pour cut-out: 2278.49,4385.31 2255.17,4385.31 2241.39,4399.09 2237.15,4399.09 2023.57,4612.67 2023.57,4941.41 2062.94,4980.78 2069.33,4980.78 2078.08,4972.03 2078.08,4967.37 2042.27,4931.56 2042.27,4622.51 2249.39,4415.38 2278.49,4415.38
  pour cut-out: 2546.73,4860.4 2533.77,4847.44 2517.72,4847.44 2514.76,4850.39 2514.76,4867.13 2520.67,4873.03 2525.59,4873.03 2531.5,4878.94 2531.5,4920.28 2416.34,5035.43 2387.34,5035.43 2377.95,5044.82 2377.95,5055.81 2386.12,5063.98 2411.09,5063.98 2546.73,4928.33

## Silkscreen, mask and mechanical layers (free items; w line width, h text height)
Top Overlay:
  circle w9.84: c2472.44,5125 r4.92
  lines w7.87: 2492.13,5053.15 2492.13,5135.83 ; 2637.8,5053.15 2637.8,5135.83
  text "12V" at 2014.76,5366.64 h80
  text "3V3" at 1840.55,5365.5 h80
  text "VBATT" at 3202.56,4922.74 h80
  text "TRIGGER" at 1825.29,3461.24 h80 r90
Bottom Overlay:
  drawing of 22 lines, arcs and shapes, not listed
  text "DYNAMIC ANKLE SUPPORT" at 3260.07,4442.91 h100 r90
Top Paste:
  region: 2556.1,5047.24 2546.26,5047.24 2545.87,5047.24 2545.14,5047.54 2544.59,5048.1 2544.29,5048.82 2544.29,5049.21 2544.29,5081.5 2544.29,5081.89 2544.59,5082.61 2545.14,5083.16 2545.87,5083.46 2546.26,5083.46 2556.1,5083.46 2556.49,5083.46 2557.22,5083.16 2557.77,5082.61 2558.07,5081.89 2558.07,5081.5 2558.07,5049.21 2558.07,5048.82 2557.77,5048.1 2557.22,5047.54 2556.49,5047.24 2556.1,5047.24
  region: 2583.66,5047.24 2573.82,5047.24 2573.43,5047.24 2572.7,5047.54 2572.15,5048.1 2571.85,5048.82 2571.85,5049.21 2571.85,5081.5 2571.85,5081.89 2572.15,5082.61 2572.7,5083.16 2573.43,5083.46 2573.82,5083.46 2583.66,5083.46 2584.05,5083.46 2584.78,5083.16 2585.33,5082.61 2585.63,5081.89 2585.63,5081.5 2585.63,5049.21 2585.63,5048.82 2585.33,5048.1 2584.78,5047.54 2584.05,5047.24 2583.66,5047.24
  region: 2545.28,5120.87 2545.28,5121.26 2545.57,5121.98 2546.13,5122.53 2546.85,5122.83 2547.24,5122.83 2582.68,5122.83 2583.07,5122.83 2583.79,5122.53 2584.35,5121.98 2584.65,5121.26 2584.65,5120.87 2584.65,5104.33 2584.65,5103.94 2584.35,5103.22 2583.79,5102.66 2583.07,5102.36 2582.68,5102.36 2547.24,5102.36 2546.85,5102.36 2546.13,5102.66 2545.57,5103.22 2545.28,5103.94 2545.28,5104.33
  region: 2547.24,5141.73 2553.15,5141.73 2553.54,5141.73 2554.26,5141.43 2554.82,5140.88 2555.12,5140.16 2555.12,5139.76 2555.12,5132.68 2555.12,5132.29 2554.82,5131.56 2554.26,5131.01 2553.54,5130.71 2553.15,5130.71 2547.24,5130.71 2546.85,5130.71 2546.13,5131.01 2545.57,5131.56 2545.28,5132.29 2545.28,5132.68 2545.28,5139.76 2545.28,5140.16 2545.57,5140.88 2546.13,5141.43 2546.85,5141.73 2547.24,5141.73
  region: 2574.8,5139.76 2574.8,5140.16 2575.1,5140.88 2575.66,5141.43 2576.38,5141.73 2576.77,5141.73 2582.68,5141.73 2583.07,5141.73 2583.79,5141.43 2584.35,5140.88 2584.65,5140.16 2584.65,5139.76 2584.65,5132.68 2584.65,5132.29 2584.35,5131.56 2583.79,5131.01 2583.07,5130.71 2582.68,5130.71 2576.77,5130.71 2576.38,5130.71 2575.66,5131.01 2575.1,5131.56 2574.8,5132.29 2574.8,5132.68
Top 3D Body:
  lines w7.87: 2513.78,5053.15 2616.14,5053.15 2616.14,5135.83 2513.78,5135.83 2513.78,5053.15
Top Courtyard:
  lines w7.87: 2503.94,5043.31 2625.98,5043.31 2625.98,5147.64 2503.94,5147.64 2503.94,5043.31
Board Shape:
  the board outline again, w10
Top Assembly:
  lines w7.87: 2503.94,5043.31 2625.98,5043.31 2625.98,5147.64 2503.94,5147.64 2503.94,5043.31
  text ".Designator" at 2564.96,5095.45 h39.37
Top Component Center:
  lines w3.94: 2545.28,5094.49 2584.65,5094.49 ; 2564.96,5074.8 2564.96,5114.17